# KiCad board ergodonk_pcb.kicad_pcb
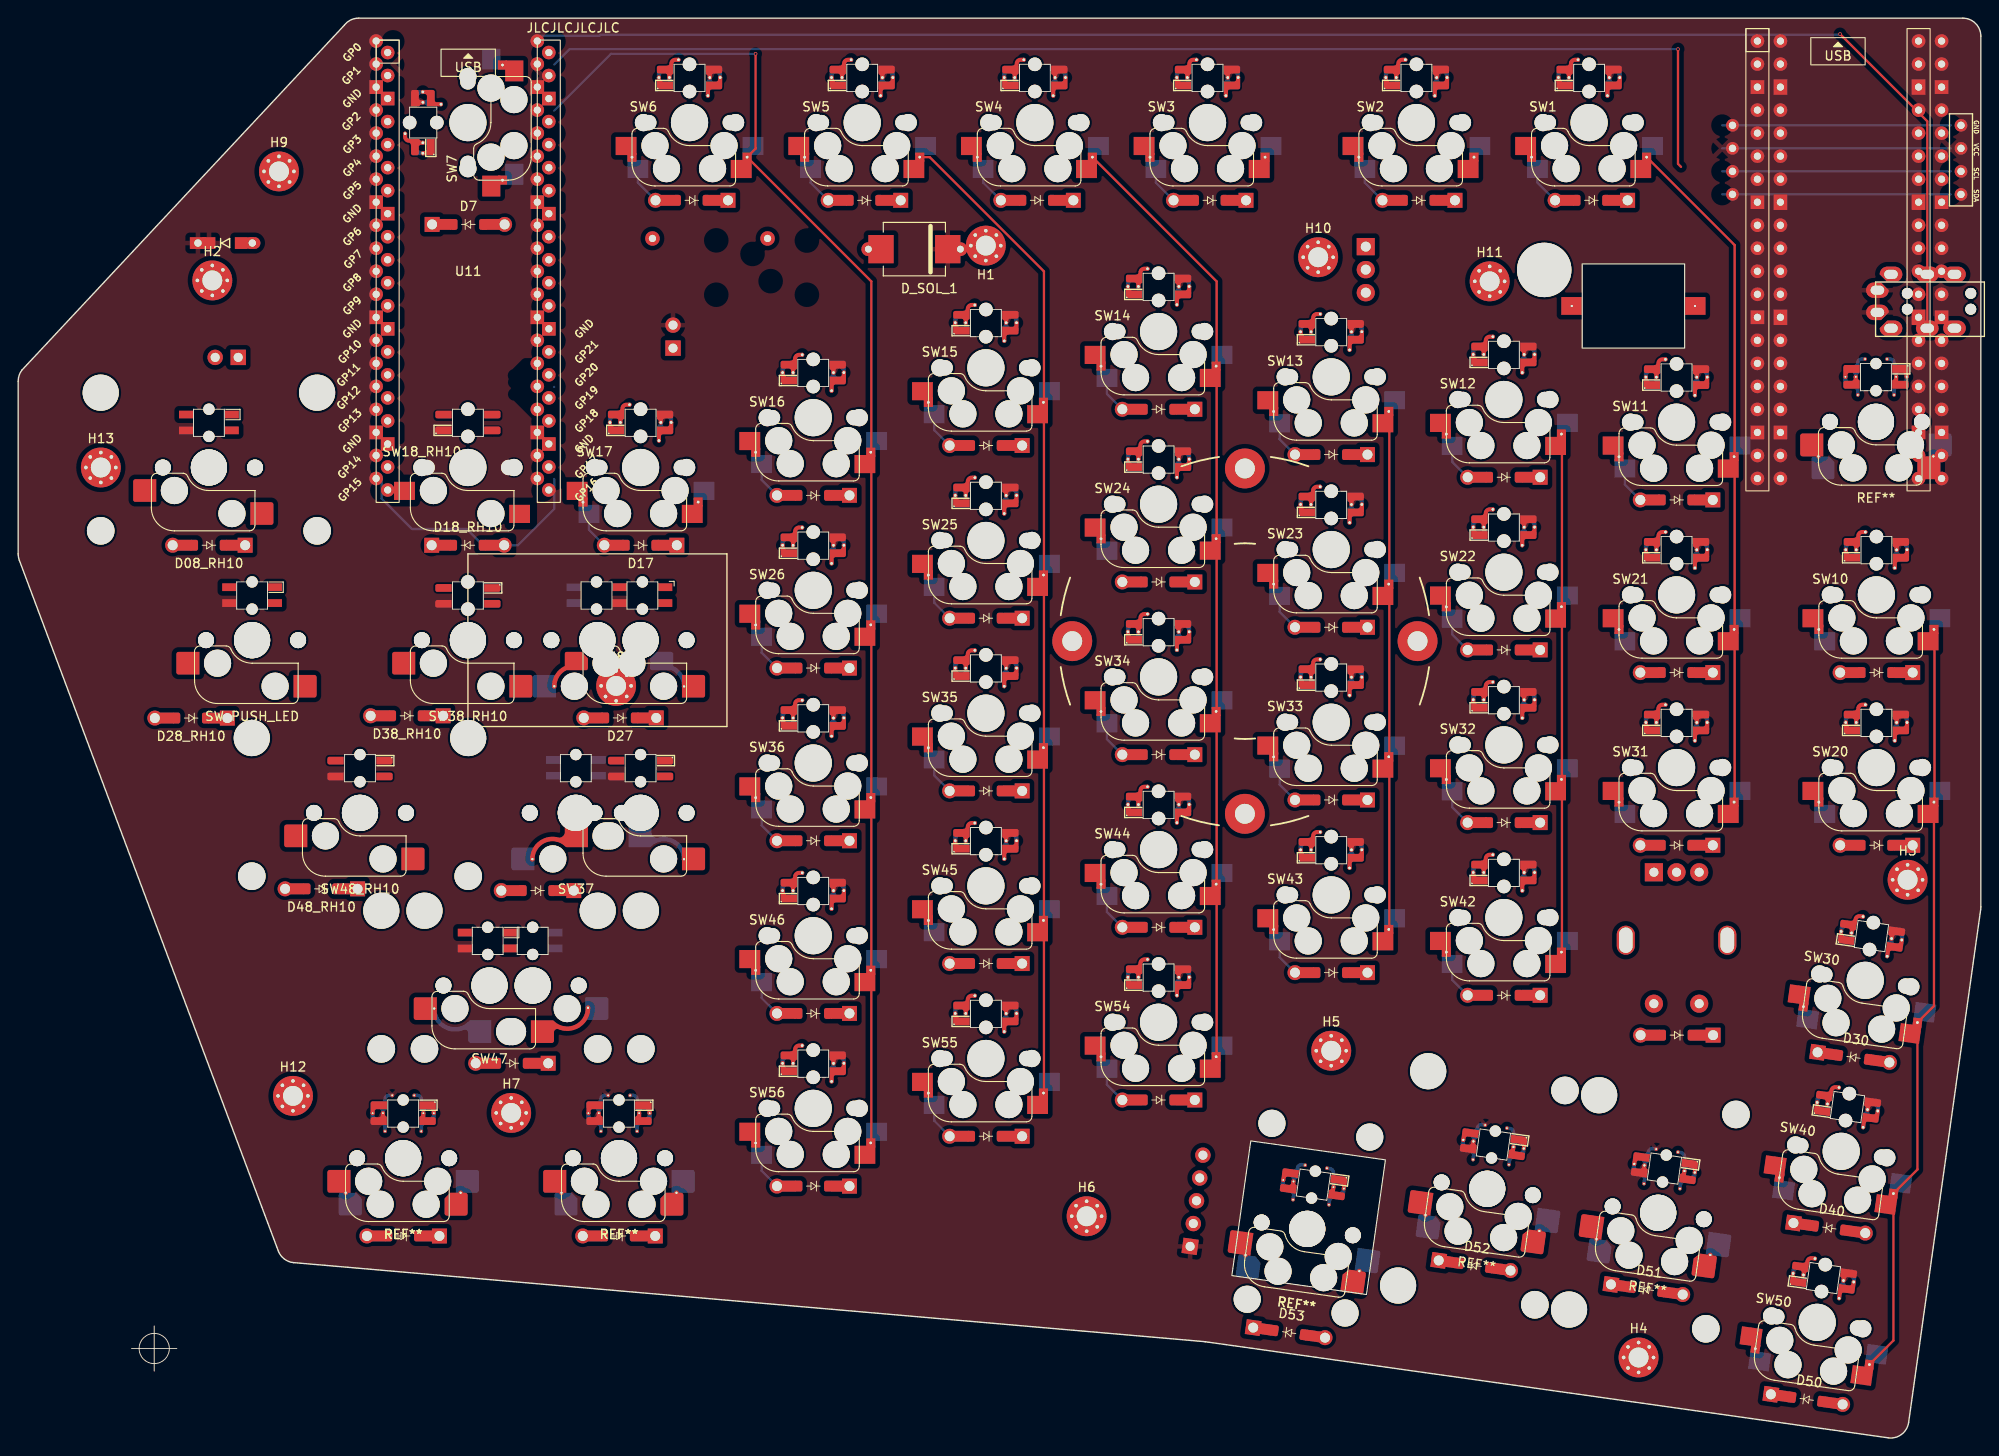
[diagram p0: board, top side]
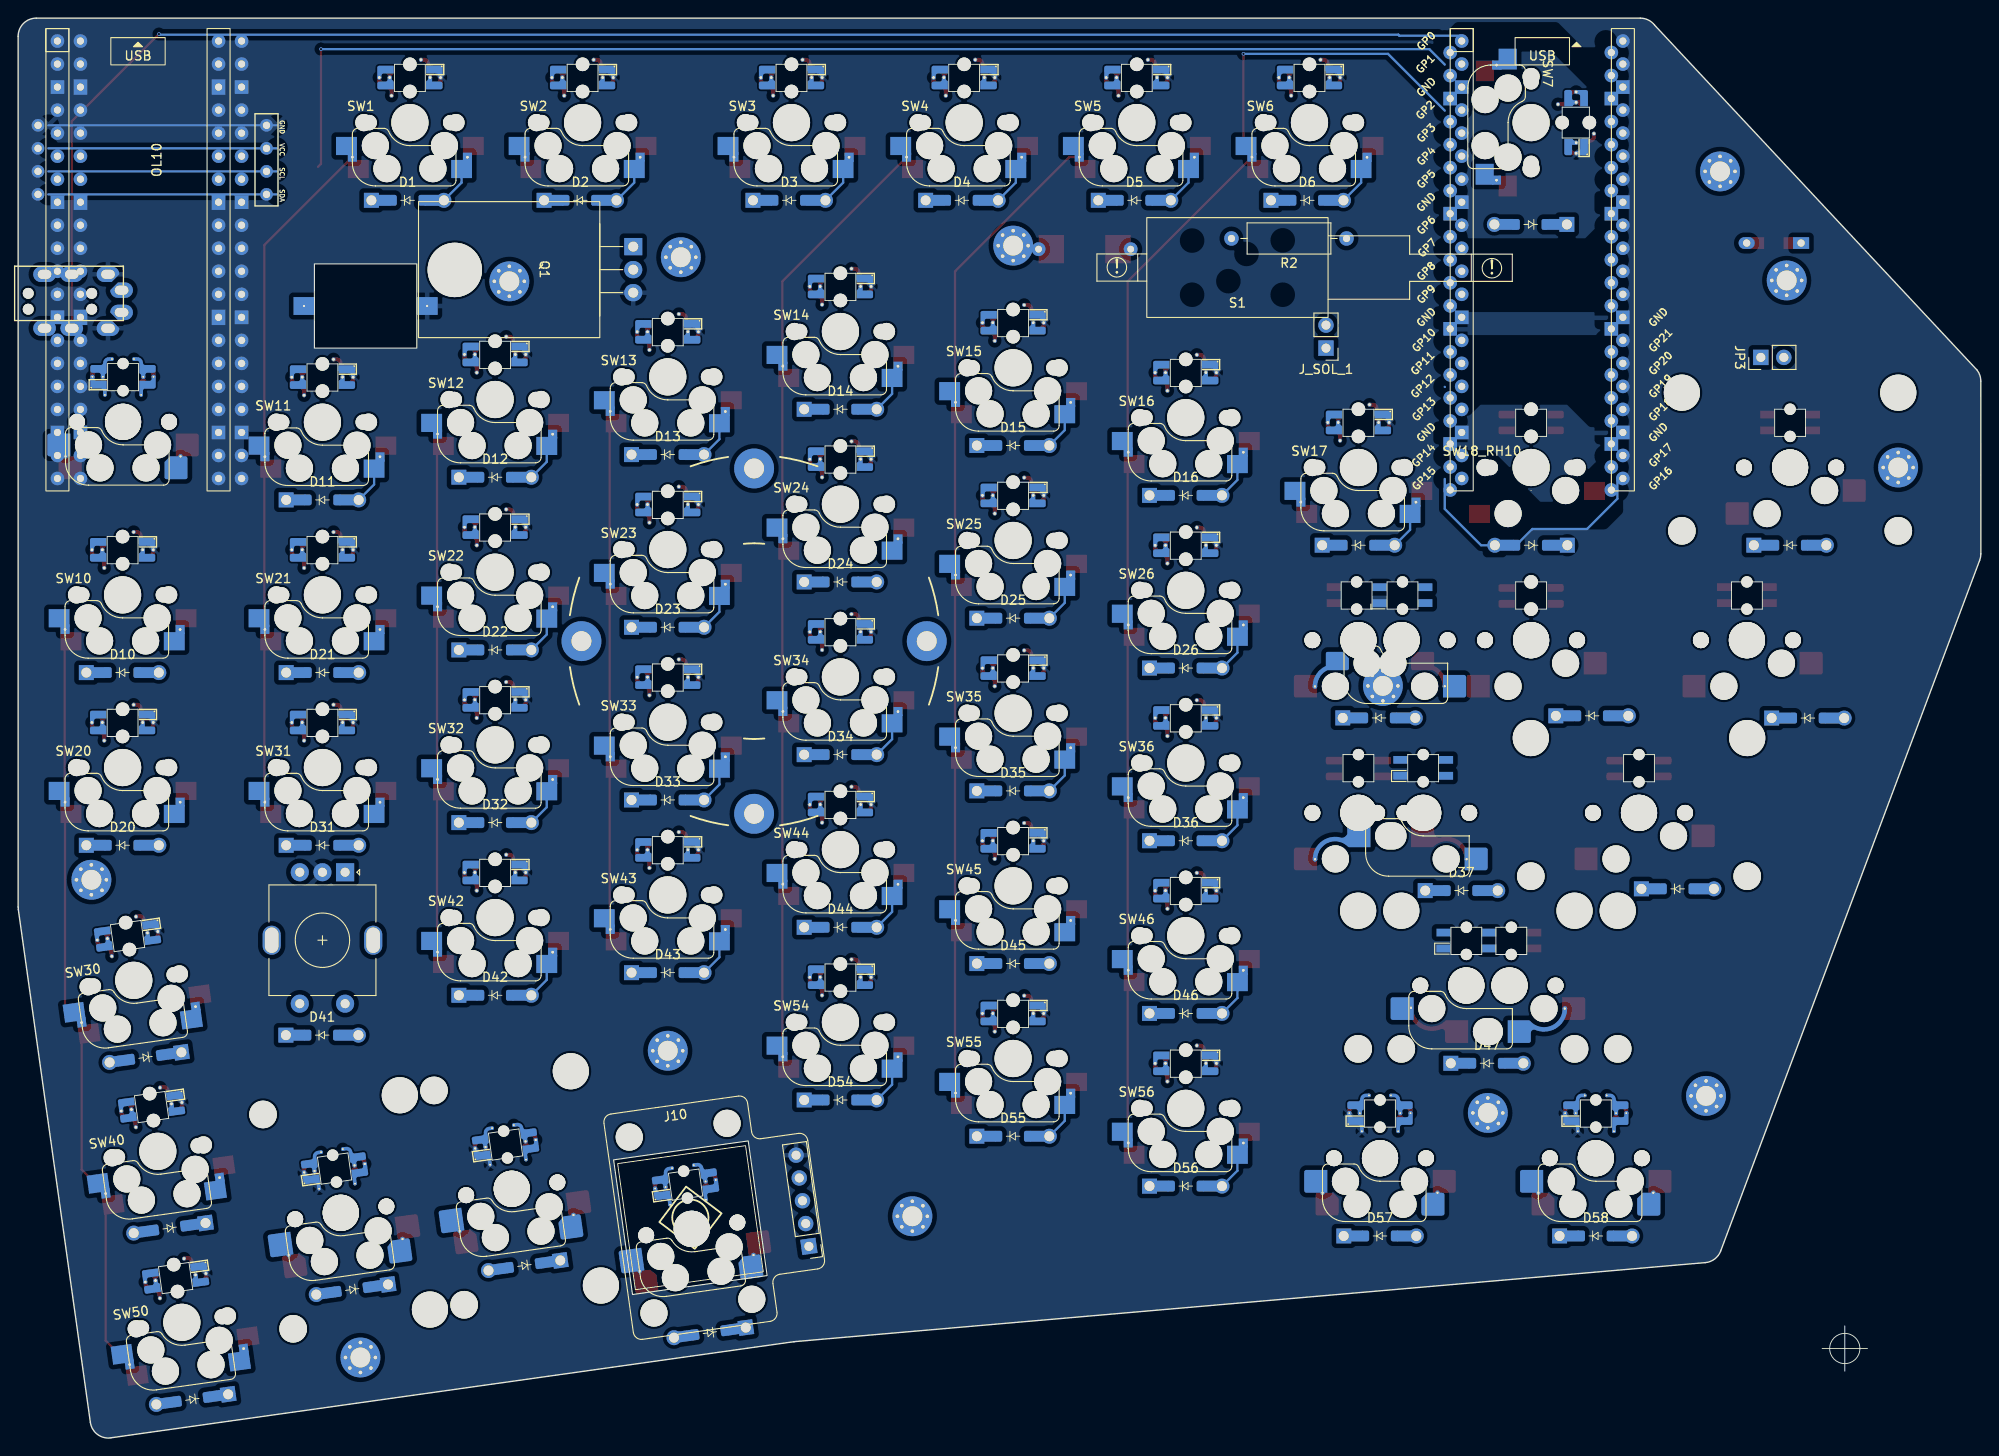
[diagram p1: board, bottom side, seen from below]

Outline 216.55 x 156.63 mm; copper layers: Top, Bottom. Coordinates in mm from the lower left corner of the outline.
Outline path: 206.32,0 130.98,10.6 arc(130.93,10.61) 130.88,10.61 30.4,19.33 arc(29.37,19.73) 28.7,20.62 0.13,96.82 arc(0.03,97.17) 0,97.53 0,116.58 arc(0.11,117.23) 0.43,117.81 36,155.85 arc(36.7,156.42) 37.58,156.63 214.55,156.63 arc(215.96,156.04) 216.55,154.63 216.55,58.58 arc(216.55,58.44) 216.53,58.3 208.58,1.71 arc(207.8,0.38) 206.32,0
Stack: Top 0.035mm / dielectric 1.51mm FR4 er 4.5 / Bottom 0.035mm

## Placement (name value [footprint] x y rotation side)
D1  D  [D_SOD-123_DO-35_Hybrid_DoubleSided]  173.57 136.53 180 bottom
D2  D  [D_SOD-123_DO-35_Hybrid_DoubleSided]  154.52 136.53 180 bottom
D3  D  [D_SOD-123_DO-35_Hybrid_DoubleSided]  131.48 136.53 180 bottom
D4  D  [D_SOD-123_DO-35_Hybrid_DoubleSided]  112.42 136.53 180 bottom
D5  D  [D_SOD-123_DO-35_Hybrid_DoubleSided]  93.37 136.53 180 bottom
D6  D  [D_SOD-123_DO-35_Hybrid_DoubleSided]  74.33 136.53 180 bottom
D7  D  [D_SOD-123_DO-35_Hybrid_DoubleSided]  49.67 133.87 0 top
D08_RH10  D  [D_SOD-123_DO-35_Hybrid_DoubleSided]  21.05 98.48 180 top
D10  D  [D_SOD-123_DO-35_Hybrid_DoubleSided]  205.02 84.43 180 bottom
D11  D  [D_SOD-123_DO-35_Hybrid_DoubleSided]  182.98 103.48 180 bottom
D12  D  [D_SOD-123_DO-35_Hybrid_DoubleSided]  163.93 105.98 180 bottom
D13  D  [D_SOD-123_DO-35_Hybrid_DoubleSided]  144.88 108.48 180 bottom
D14  D  [D_SOD-123_DO-35_Hybrid_DoubleSided]  125.83 113.48 180 bottom
D15  D  [D_SOD-123_DO-35_Hybrid_DoubleSided]  106.77 109.48 180 bottom
D16  D  [D_SOD-123_DO-35_Hybrid_DoubleSided]  87.72 103.98 180 bottom
D17  D  [D_SOD-123_DO-35_Hybrid_DoubleSided]  68.67 98.48 180 top
D18  D  [D3_TH_SMD_v2]  22.84 131.81 0 top
D18_RH10  D  [D_SOD-123_DO-35_Hybrid_DoubleSided]  49.62 98.48 0 top
D20  D  [D_SOD-123_DO-35_Hybrid_DoubleSided]  205.02 65.38 180 bottom
D21  D  [D_SOD-123_DO-35_Hybrid_DoubleSided]  182.98 84.43 180 bottom
D22  D  [D_SOD-123_DO-35_Hybrid_DoubleSided]  163.93 86.93 180 bottom
D23  D  [D_SOD-123_DO-35_Hybrid_DoubleSided]  144.88 89.43 180 bottom
D24  D  [D_SOD-123_DO-35_Hybrid_DoubleSided]  125.83 94.43 180 bottom
D25  D  [D_SOD-123_DO-35_Hybrid_DoubleSided]  106.77 90.43 180 bottom
D26  D  [D_SOD-123_DO-35_Hybrid_DoubleSided]  87.72 84.93 180 bottom
D27  D  [D_SOD-123_DO-35_Hybrid_DoubleSided]  66.41 79.43 180 top
D28_RH10  D  [D_SOD-123_DO-35_Hybrid_DoubleSided]  19.09 79.41 180 top
D30  D  [D_SOD-123_DO-35_Hybrid_DoubleSided]  202.5 41.98 352 top
D31  D  [D_SOD-123_DO-35_Hybrid_DoubleSided]  182.98 65.38 180 bottom
D32  D  [D_SOD-123_DO-35_Hybrid_DoubleSided]  163.93 67.88 180 bottom
D33  D  [D_SOD-123_DO-35_Hybrid_DoubleSided]  144.88 70.38 180 bottom
D34  D  [D_SOD-123_DO-35_Hybrid_DoubleSided]  125.83 75.38 180 bottom
D35  D  [D_SOD-123_DO-35_Hybrid_DoubleSided]  106.77 71.38 180 bottom
D36  D  [D_SOD-123_DO-35_Hybrid_DoubleSided]  87.72 65.88 180 bottom
D37  D  [D_SOD-123_DO-35_Hybrid_DoubleSided]  57.3 60.38 180 bottom
D38_RH10  D  [D_SOD-123_DO-35_Hybrid_DoubleSided]  42.89 79.66 180 top
D40  D  [D_SOD-123_DO-35_Hybrid_DoubleSided]  199.83 23.15 352 top
D41  D  [D_SOD-123_DO-35_Hybrid_DoubleSided]  183 44.43 180 bottom
D42  D  [D_SOD-123_DO-35_Hybrid_DoubleSided]  163.93 48.83 180 bottom
D43  D  [D_SOD-123_DO-35_Hybrid_DoubleSided]  144.88 51.33 180 bottom
D44  D  [D_SOD-123_DO-35_Hybrid_DoubleSided]  125.83 56.33 180 bottom
D45  D  [D_SOD-123_DO-35_Hybrid_DoubleSided]  106.77 52.33 180 bottom
D46  D  [D_SOD-123_DO-35_Hybrid_DoubleSided]  87.72 46.83 180 bottom
D47  D  [D_SOD-123_DO-35_Hybrid_DoubleSided]  54.48 41.33 180 bottom
D48_RH10  D  [D_SOD-123_DO-35_Hybrid_DoubleSided]  33.45 60.57 180 top
D50  D  [D_SOD-123_DO-35_Hybrid_DoubleSided]  197.34 4.25 352 top
D51  D  [D_SOD-123_DO-35_Hybrid_DoubleSided]  179.69 16.37 352 top
D52  D  [D_SOD-123_DO-35_Hybrid_DoubleSided]  160.69 19.02 352 top
D53  D  [D_SOD-123_DO-35_Hybrid_DoubleSided]  140.23 11.61 352 top
D54  D  [D_SOD-123_DO-35_Hybrid_DoubleSided]  125.83 37.28 180 bottom
D55  D  [D_SOD-123_DO-35_Hybrid_DoubleSided]  106.77 33.28 180 bottom
D56  D  [D_SOD-123_DO-35_Hybrid_DoubleSided]  87.72 27.78 180 bottom
D57  D  [D_SOD-123_DO-35_Hybrid_DoubleSided]  66.29 22.28 180 bottom
D58  D  [D_SOD-123_DO-35_Hybrid_DoubleSided]  42.48 22.28 180 bottom
D_SOL_1  MUR340S  [MUR340S_IN4001_TH_HYBRID]  98.88 131.14 180 top
H1  MountingHole  [MountingHole_2.2mm_M2_Pad_Via]  106.77 131.53 180 top
H2  MountingHole  [MountingHole_2.2mm_M2_Pad_Via]  21.42 127.69 0 top
H3  MountingHole  [MountingHole_2.2mm_M2_Pad_Via]  208.46 61.57 0 top
H4  MountingHole  [MountingHole_2.2mm_M2_Pad_Via]  178.79 8.87 0 top
H5  MountingHole  [MountingHole_2.2mm_M2_Pad_Via]  144.88 42.71 0 top
H6  MountingHole  [MountingHole_2.2mm_M2_Pad_Via]  117.89 24.45 0 top
H7  MountingHole  [MountingHole_2.2mm_M2_Pad_Via]  54.4 35.85 0 top
H8  MountingHole  [MountingHole_2.2mm_M2_Pad_Via]  65.97 82.96 0 top
H9  MountingHole  [MountingHole_2.2mm_M2_Pad_Via]  28.78 139.72 0 top
H10  MountingHole  [MountingHole_2.2mm_M2_Pad_Via]  143.44 130.25 0 top
H11  MountingHole  [MountingHole_2.2mm_M2_Pad_Via]  162.36 127.59 0 top
H12  MountingHole  [MountingHole_2.2mm_M2_Pad_Via]  30.33 37.73 0 top
H13  MountingHole  [MountingHole_2.2mm_M2_Pad_Via]  9.12 107.05 0 top
J10  Pimaroni Trackball  [pimoroni_trackball]  129.3 21.13 352 bottom
J11  4PIN  [MJ-4PP-9_CANTOR_KITCHEN_SINK]  216.94 124.51 270 top
J_SOL_1  Conn_01x02_Female  [PinHeader_1x02_P2.54mm_Vertical]  72.25 120.22 0 bottom
JP3  LH LED's  [PinHeader_1x02_P2.54mm_Vertical]  24.28 119.2 90 bottom
LS10  AST1109MLTRQ_MAL  [AST1109MLTRQ]  178.21 124.87 180 top
OL10  OLED  [OLED SSD1306 128x64 UNVERIFIED]  201.75 140.99 270 bottom
Q1  TIP120  [Tip 120 with heatsink]  159.92 128.88 270 bottom
R2  1k  [R_Axial_DIN0309_L9.0mm_D3.2mm_P12.70mm_Horizontal]  69.98 132.32 0 bottom
REF**  -  [RPi_Pico_SMD_TH - Junco -DS Sofle v3b v4]  202.06 129.97 0 top
REF**#2  Tenting Puck  [Tenting_Puck.kicad_mod_nocenter]  135.35 87.9 0 top
S1  Solenoid  [uxcell a14092600ux0438 solenoid]  82.02 129.11 0 bottom
SW1  SW_PUSH_LED  [Cherry_MX_DS_Hotswap_miniE_1U_sofle3b]  173.32 145.1 180 top
SW2  SW_PUSH_LED  [V2_CherryMX_DoubleSided_Hotswap_miniE]  204.98 112.09 0 top
SW2#2  SW_PUSH_LED  [Cherry_MX_DS_Hotswap_miniE_1U_sofle3b]  154.27 145.1 180 top
SW3  SW_PUSH_LED  [Cherry_MX_DS_Hotswap_miniE_1U_sofle3b]  131.23 145.1 180 top
SW4  SW_PUSH_LED  [Cherry_MX_DS_Hotswap_miniE_1U_sofle3b]  112.17 145.1 180 top
SW5  SW_PUSH_LED  [Cherry_MX_DS_Hotswap_miniE_1U_sofle3b]  93.12 145.1 180 top
SW6  SW_PUSH_LED  [Cherry_MX_DS_Hotswap_miniE_1U_sofle3b]  74.08 145.1 180 top
SW7  SW_PUSH_LED  [Cherry_MX_DS_Hotswap_miniE_1U_sofle3b]  49.62 145.1 270 top
SW08_RH10  SW_PUSH_LED  [V2_CherryMX_DoubleSided_Hotswap_miniE_2u_RH_ONLY]  21.05 107.05 0 top
SW10  SW_PUSH_LED  [Cherry_MX_DS_Hotswap_miniE_1U_sofle3b]  205.02 93 180 top
SW11  SW_PUSH_LED  [Cherry_MX_DS_Hotswap_miniE_1U_sofle3b]  182.98 112.05 180 top
SW12  SW_PUSH_LED  [Cherry_MX_DS_Hotswap_miniE_1U_sofle3b]  163.93 114.55 180 top
SW13  SW_PUSH_LED  [Cherry_MX_DS_Hotswap_miniE_1U_sofle3b]  144.88 117.05 180 top
SW14  SW_PUSH_LED  [Cherry_MX_DS_Hotswap_miniE_1U_sofle3b]  125.83 122.05 180 top
SW15  SW_PUSH_LED  [Cherry_MX_DS_Hotswap_miniE_1U_sofle3b]  106.77 118.05 180 top
SW16  SW_PUSH_LED  [Cherry_MX_DS_Hotswap_miniE_1U_sofle3b]  87.72 112.55 180 top
SW17  SW_PUSH_LED  [Cherry_MX_DS_Hotswap_miniE_1U_sofle3b]  68.67 107.05 180 top
SW18_RH10  SW_PUSH_LED  [Cherry_MX_DS_Hotswap_miniE_1U_sofle3b_oneside]  49.62 107.05 180 top
SW20  SW_PUSH_LED  [Cherry_MX_DS_Hotswap_miniE_1U_sofle3b]  205.02 73.95 180 top
SW21  SW_PUSH_LED  [Cherry_MX_DS_Hotswap_miniE_1U_sofle3b]  182.98 93 180 top
SW22  SW_PUSH_LED  [Cherry_MX_DS_Hotswap_miniE_1U_sofle3b]  163.93 95.5 180 top
SW23  SW_PUSH_LED  [Cherry_MX_DS_Hotswap_miniE_1U_sofle3b]  144.88 98 180 top
SW24  SW_PUSH_LED  [Cherry_MX_DS_Hotswap_miniE_1U_sofle3b]  125.83 103 180 top
SW25  SW_PUSH_LED  [Cherry_MX_DS_Hotswap_miniE_1U_sofle3b]  106.77 99 180 top
SW26  SW_PUSH_LED  [Cherry_MX_DS_Hotswap_miniE_1U_sofle3b]  87.72 93.5 180 top
SW27  SW_PUSH_LED  [V2_CherryMX_DoubleSided_Hotswap_miniE_1.5u_LH_1u_RH]  63.91 88 0 top
SW28_RH10  SW_PUSH_LED  [V2_CherryMX_DoubleSided_Hotswap_miniE_1.5u_RH_ONLY]  25.81 88 0 top
SW30  SW_PUSH_LED  [Cherry_MX_DS_Hotswap_miniE_1U_sofle3b]  203.79 50.47 172 top
SW31  SW_PUSH_LED  [Cherry_MX_DS_Hotswap_miniE_1U_sofle3b]  182.98 73.95 180 top
SW32  SW_PUSH_LED  [Cherry_MX_DS_Hotswap_miniE_1U_sofle3b]  163.93 76.45 180 top
SW33  SW_PUSH_LED  [Cherry_MX_DS_Hotswap_miniE_1U_sofle3b]  144.88 78.95 180 top
SW34  SW_PUSH_LED  [Cherry_MX_DS_Hotswap_miniE_1U_sofle3b]  125.83 83.95 180 top
SW35  SW_PUSH_LED  [Cherry_MX_DS_Hotswap_miniE_1U_sofle3b]  106.77 79.95 180 top
SW36  SW_PUSH_LED  [Cherry_MX_DS_Hotswap_miniE_1U_sofle3b]  87.72 74.45 180 top
SW37  SW_PUSH_LED  [V2_CherryMX_DoubleSided_Hotswap_miniE_1.75u_LH_1u_RH]  61.53 68.95 0 top
SW38_RH10  SW_PUSH_LED  [V2_CherryMX_DS_Hotswap_miniE_1U_SEED_RH]  49.62 88 0 top
SW40  SW_PUSH_LED  [Cherry_MX_DS_Hotswap_miniE_1U_sofle3b]  201.14 31.61 172 top
SW42  SW_PUSH_LED  [Cherry_MX_DS_Hotswap_miniE_1U_sofle3b]  163.93 57.4 180 top
SW43  SW_PUSH_LED  [Cherry_MX_DS_Hotswap_miniE_1U_sofle3b]  144.88 59.9 180 top
SW44  SW_PUSH_LED  [Cherry_MX_DS_Hotswap_miniE_1U_sofle3b]  125.83 64.9 180 top
SW45  SW_PUSH_LED  [Cherry_MX_DS_Hotswap_miniE_1U_sofle3b]  106.77 60.9 180 top
SW46  SW_PUSH_LED  [Cherry_MX_DS_Hotswap_miniE_1U_sofle3b]  87.72 55.4 180 top
SW47  SW_PUSH_LED  [V2_CherryMX_DoubleSided_Hotswap_miniE_2.25u_LH_2.75u_RH]  52.01 50.22 0 top
SW48_RH10  SW_PUSH_LED  [V2_CherryMX_DoubleSided_Hotswap_miniE_2.25u_RH_ONLY]  37.72 68.95 0 top
SW50  SW_PUSH_LED  [Cherry_MX_DS_Hotswap_miniE_1U_sofle3b]  198.49 12.75 172 top
SW51  SW_PUSH_LED  [V2_CherryMX_DoubleSided_Hotswap_miniE_2u_Vertical]  180.95 24.83 352 top
SW52  SW_PUSH_LED  [V2_CherryMX_DoubleSided_Hotswap_miniE_2u_Vertical]  162.09 27.48 352 top
SW53  SW_PUSH_LED  [V2_CherryMX_DoubleSided_Hotswap_miniE_1.25u_Vertical]  142.23 23.06 352 top
SW54  SW_PUSH_LED  [Cherry_MX_DS_Hotswap_miniE_1U_sofle3b]  125.83 45.85 180 top
SW55  SW_PUSH_LED  [Cherry_MX_DS_Hotswap_miniE_1U_sofle3b]  106.77 41.85 180 top
SW56  SW_PUSH_LED  [Cherry_MX_DS_Hotswap_miniE_1U_sofle3b]  87.72 36.35 180 top
SW57  SW_PUSH_LED  [V2_CherryMX_DoubleSided_Hotswap_miniE_1.25u]  66.29 30.85 0 top
SW58  SW_PUSH_LED  [V2_CherryMX_DoubleSided_Hotswap_miniE_1.25u]  42.48 30.85 0 top
SWLH_ROT1  RotaryEncoder_Switch  [RotaryEncoder_EC11_ergodonk_variant]  182.98 54.9 270 bottom
U11  Pico  [RPi_Pico_SMD_TH_DS_Ergodonk_v1]  49.02 129.34 0 top

## Library data of the parts
D1-D7 D08_RH10 D10-D17 D18_RH10 D20-D27 D28_RH10 D30-D37 D38_RH10 D40-D47 D48_RH10 D50-D58 = -: Description: Diode; Sim.Pins: 1=K 2=A
D18 = -: Description: Diode
D_SOL_1 = -: MANUFACTURER: Taiwan Semiconductor; MAXIMUM_PACKAGE_HEIGHT: 2.62 mm; PARTREV: L2102; STANDARD: IPC-7351B
H1-H13 = -: Description: Mounting Hole without connection
J10 = -: Description: Generic connector, single row, 01x05, script generated
J_SOL_1 = -: Description: Generic connector, single row, 01x02, script generated (kicad-library-utils/schlib/autogen/connector/)
JP3 = -: Description: Solder Jumper, 2-pole, open
Q1 = -: Description: 5A Ic, 60V Vce, Silicon Darlington Power NPN Transistor, TO-220
R2 = -: Description: Resistor, small symbol
SWLH_ROT1 = -: Description: Rotary encoder, dual channel, incremental quadrate outputs, with switch
